# Altium PCB STM32F405.PcbDoc (part 1 of 3) (continued)
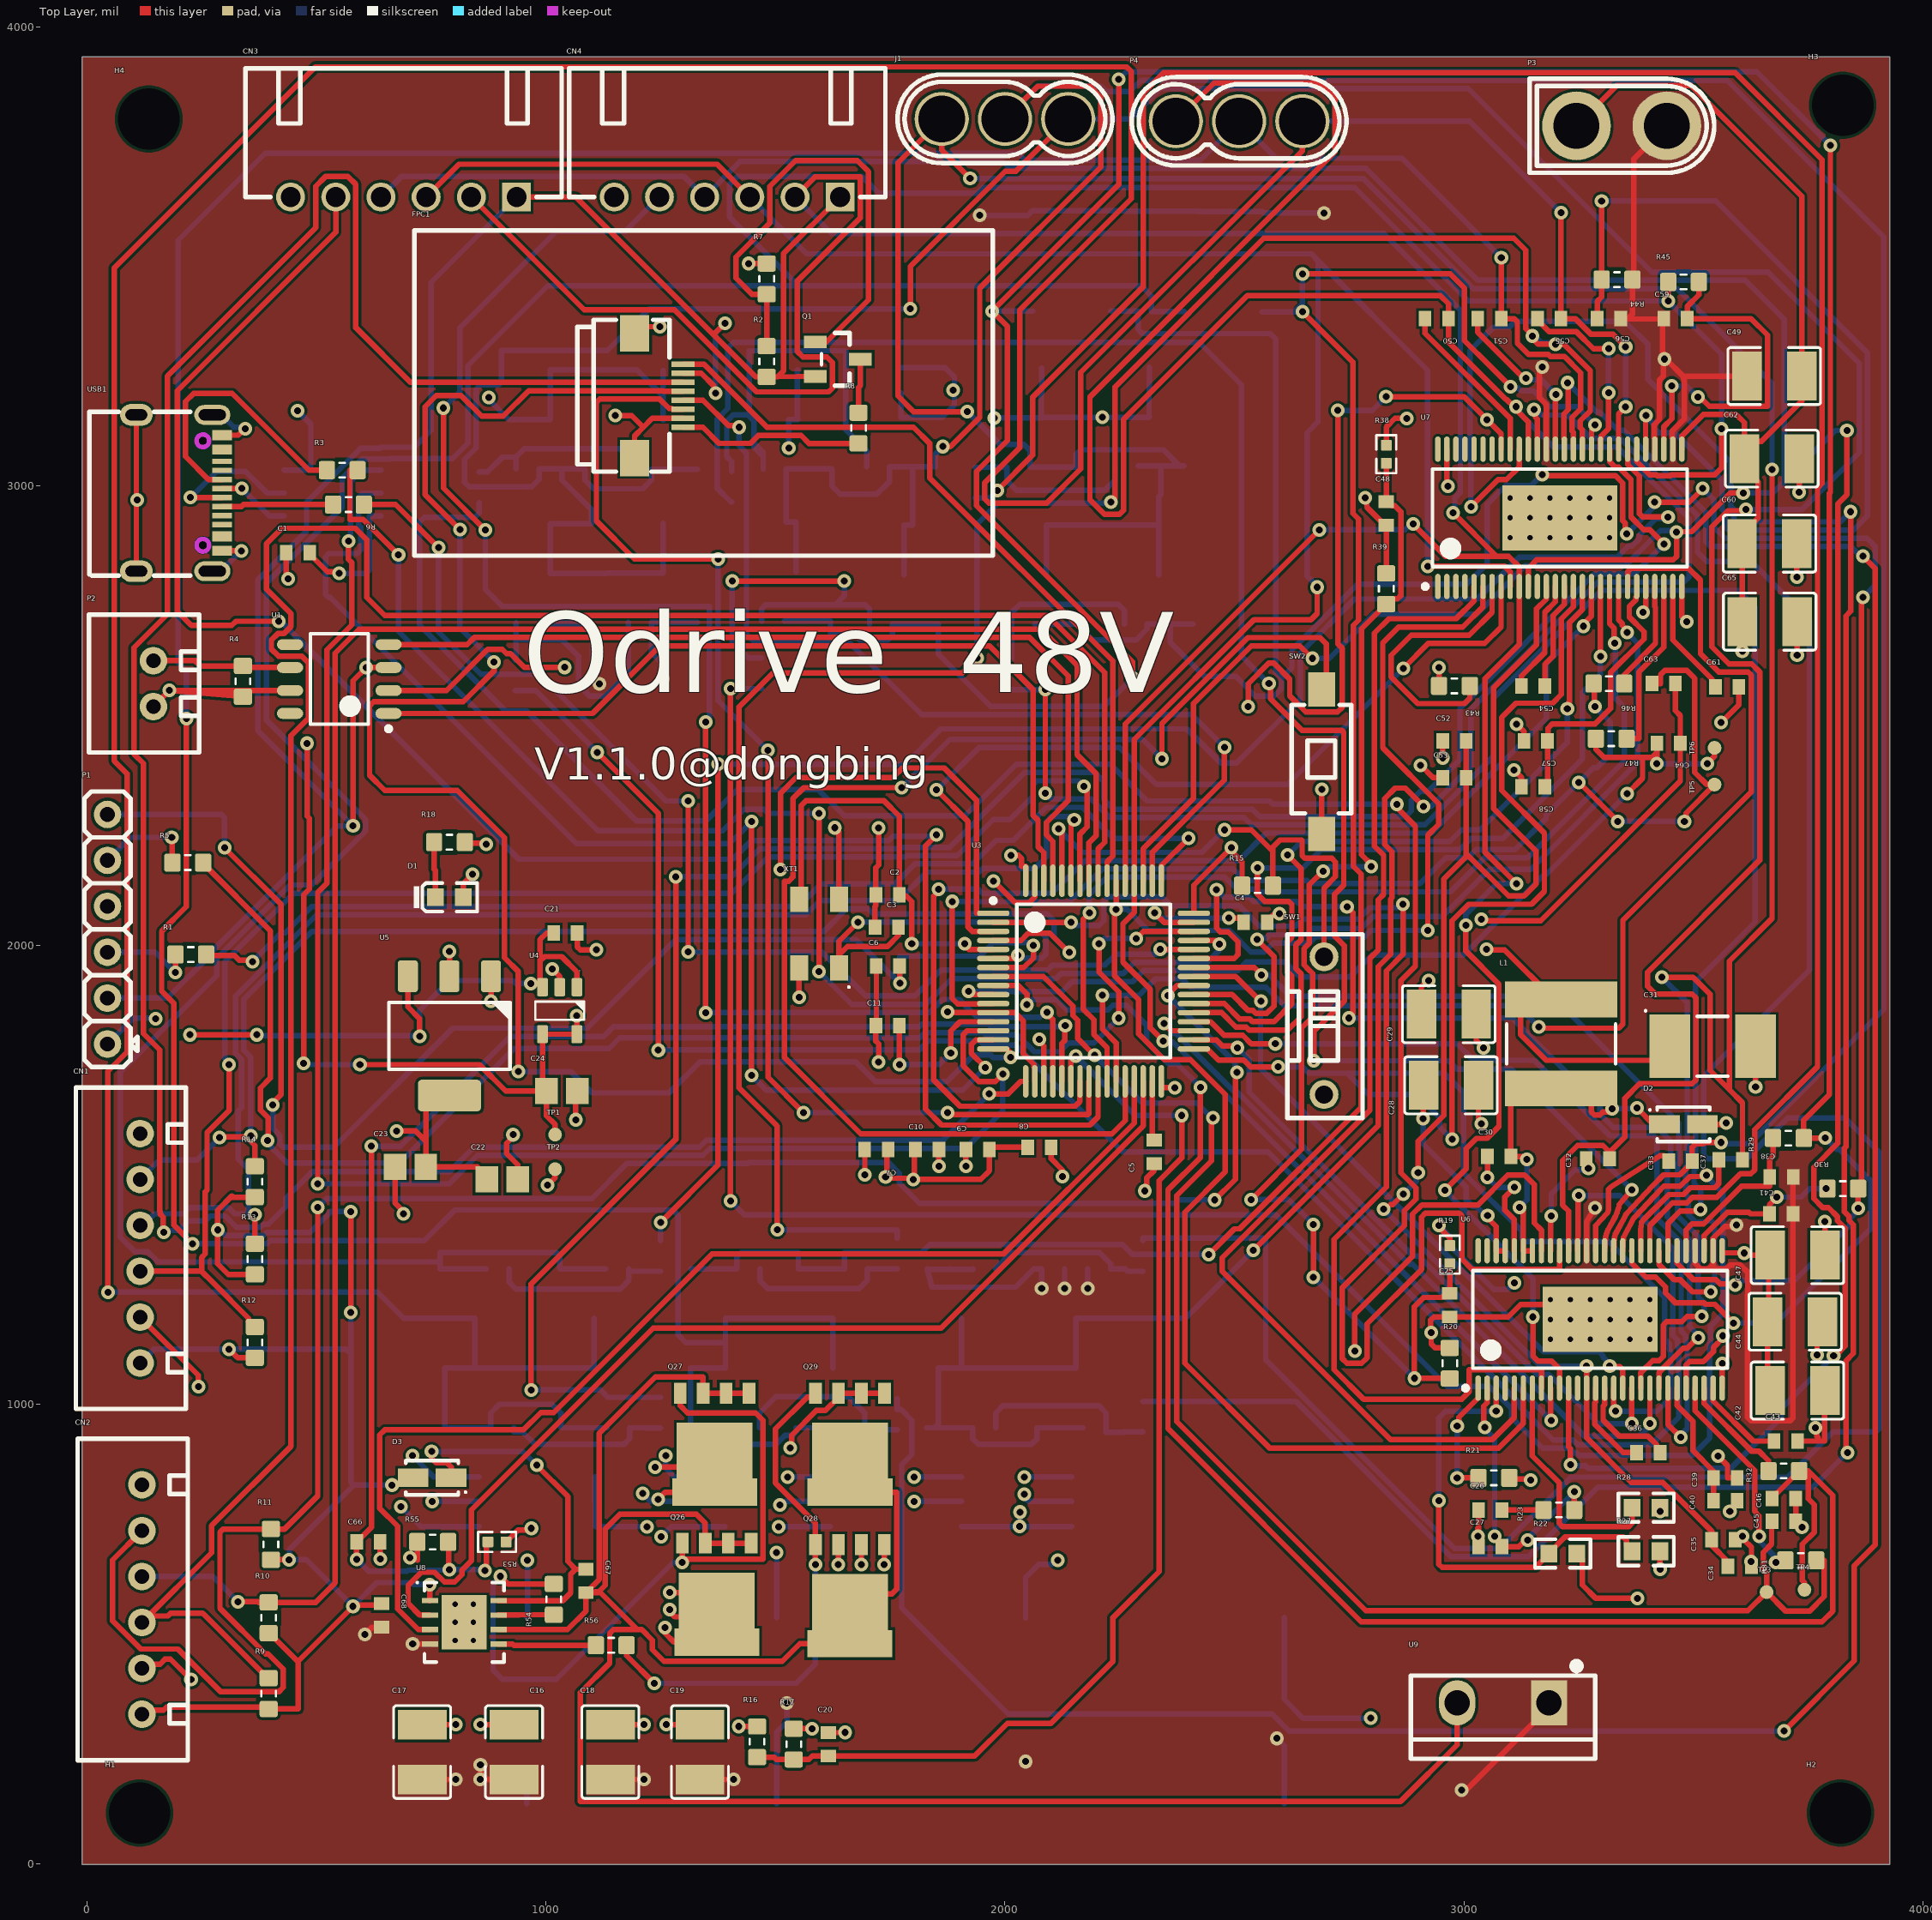
[diagram p0: Top Layer view]
## Part data (continued)
R1 R3 R5 R6 R8 R31 R32 R46 R47: library part RC0603FR-0722RL, "RES SMD 22 OHM 1% 1/10W 0603", Manufacturer=Yageo, Operating Temperature="-55°C ~ 155°C", Package / Case="0603 (1608 Metric)", Power (Watts)="0.1W, 1/10W", Resistance (Ohms)=22, Supplier Device Package=0603, Supplier Part Number 1=311-22.0HRCT-ND, Temperature Coefficient=±100ppm/°C, Tolerance=±1%, Category=Resistors, ComponentLink1Description=http://www.yageo.com/documents/recent/PYu-RC_Group_51_RoHS_L_04.pdf, ComponentLink1URL=http://www.yageo.com/documents/recent/PYu-RC_Group_51_RoHS_L_04.pdf, Composition="Thick Film", Features="Moisture Resistant", Height="0.022\" (0.55mm)", Manufacturer Part Number=RC0603FR-0722RL, Number of Terminations=2, Packaging="Cut Tape (CT)", Pricing 1="1=0.1, 10=0.014, 25=0.01, 100=0.0057, 250=0.00436, 500=0.00348, 1000=0.00257, 2500=0.00223 (USD)", RoHS="RoHS Compliant", Size / Dimension="0.063\" L x 0.031\" W (1.60mm x 0.80mm)", Stock 1=575303, Supplier 1=Digi-Key
R2 R17 R18: library part RC0603FR-071KL, "RES SMD 1K OHM 1% 1/10W 0603", Manufacturer=Yageo, Operating Temperature="-55°C ~ 155°C", Package / Case="0603 (1608 Metric)", Power (Watts)="0.1W, 1/10W", Supplier Device Package=0603, Supplier Part Number 1=311-1.00KHRCT-ND, Temperature Coefficient=±100ppm/°C, Tolerance=±1%, Category=Resistors, ComponentLink1Description=http://www.yageo.com/documents/recent/PYu-RC_Group_51_RoHS_L_04.pdf, ComponentLink1URL=http://www.yageo.com/documents/recent/PYu-RC_Group_51_RoHS_L_04.pdf, Composition="Thick Film", Features="Moisture Resistant", Height="0.022\" (0.55mm)", Manufacturer Part Number=RC0603FR-071KL, Number of Terminations=2, Packaging="Cut Tape (CT)", Pricing 1="1=0.1, 10=0.014, 25=0.01, 100=0.0057, 250=0.00436, 500=0.00348, 1000=0.00257, 2500=0.00223 (USD)", Resistance (Ohms)=1k, RoHS="RoHS Compliant", Size / Dimension="0.063\" L x 0.031\" W (1.60mm x 0.80mm)", Stock 1=6734836, Supplier 1=Digi-Key
R4 R29 R30 R44 R45: library part RC0603FR-07120RL, "RES SMD 120 OHM 1% 1/10W 0603", Manufacturer=Yageo, Operating Temperature="-55°C ~ 155°C", Package / Case="0603 (1608 Metric)", Power (Watts)="0.1W, 1/10W", Resistance (Ohms)=120, Supplier Device Package=0603, Supplier Part Number 1=311-120HRCT-ND, Temperature Coefficient=±100ppm/°C, Tolerance=±1%, Category=Resistors, ComponentLink1Description=http://www.yageo.com/documents/recent/PYu-RC_Group_51_RoHS_L_04.pdf, ComponentLink1URL=http://www.yageo.com/documents/recent/PYu-RC_Group_51_RoHS_L_04.pdf, Composition="Thick Film", Features="Moisture Resistant", Height="0.022\" (0.55mm)", Manufacturer Part Number=RC0603FR-07120RL, Number of Terminations=2, Packaging="Cut Tape (CT)", Pricing 1="1=0.1, 10=0.014, 25=0.01, 100=0.0057, 250=0.00436, 500=0.00348, 1000=0.00257, 2500=0.00223 (USD)", RoHS="RoHS Compliant", Size / Dimension="0.063\" L x 0.031\" W (1.60mm x 0.80mm)", Stock 1=1545282, Supplier 1=Digi-Key
R7 R16: library part RC0603FR-0710KL, "RES SMD 10K OHM 1% 1/10W 0603", Manufacturer=Yageo, Operating Temperature="-55°C ~ 155°C", Package / Case="0603 (1608 Metric)", Power (Watts)="0.1W, 1/10W", Resistance (Ohms)=10k, Supplier Device Package=0603, Supplier Part Number 1=311-10.0KHRCT-ND, Temperature Coefficient=±100ppm/°C, Tolerance=±1%, Category=Resistors, ComponentLink1Description=http://www.yageo.com/documents/recent/PYu-RC_Group_51_RoHS_L_04.pdf, ComponentLink1URL=http://www.yageo.com/documents/recent/PYu-RC_Group_51_RoHS_L_04.pdf, Composition="Thick Film", Features="Moisture Resistant", Height="0.022\" (0.55mm)", Manufacturer Part Number=RC0603FR-0710KL, Number of Terminations=2, Packaging="Cut Tape (CT)", Pricing 1="1=0.1, 10=0.014, 25=0.01, 100=0.0057, 250=0.00436, 500=0.00348, 1000=0.00257, 2500=0.00223 (USD)", RoHS="RoHS Compliant", Size / Dimension="0.063\" L x 0.031\" W (1.60mm x 0.80mm)", Stock 1=13504930, Supplier 1=Digi-Key
R9 R10 R11 R12 R13 R14 R20 R27 R39 R55: library part RC0603FR-073K3L, "RES SMD 3.3K OHM 1% 1/10W 0603", Manufacturer=Yageo, Operating Temperature="-55°C ~ 155°C", Package / Case="0603 (1608 Metric)", Power (Watts)="0.1W, 1/10W", Supplier Device Package=0603, Supplier Part Number 1=311-3.30KHRCT-ND, Temperature Coefficient=±100ppm/°C, Tolerance=±1%, Category=Resistors, ComponentLink1Description=http://www.yageo.com/documents/recent/PYu-RC_Group_51_RoHS_L_04.pdf, ComponentLink1URL=http://www.yageo.com/documents/recent/PYu-RC_Group_51_RoHS_L_04.pdf, Composition="Thick Film", Features="Moisture Resistant", Height="0.022\" (0.55mm)", Manufacturer Part Number=RC0603FR-073K3L, Number of Terminations=2, Packaging="Cut Tape (CT)", Pricing 1="1=0.1, 10=0.014, 25=0.01, 100=0.0057, 250=0.00436, 500=0.00348, 1000=0.00257, 2500=0.00223 (USD)", Resistance (Ohms)=3.3k, RoHS="RoHS Compliant", Size / Dimension="0.063\" L x 0.031\" W (1.60mm x 0.80mm)", Stock 1=420019, Supplier 1=Digi-Key
R15 R23: library part RC0603FR-0747KL, "RES SMD 47K OHM 1% 1/10W 0603", Manufacturer=Yageo, Operating Temperature="-55°C ~ 155°C", Package / Case="0603 (1608 Metric)", Power (Watts)="0.1W, 1/10W", Resistance (Ohms)=47k, Supplier Device Package=0603, Supplier Part Number 1=311-47.0KHRCT-ND, Temperature Coefficient=±100ppm/°C, Tolerance=±1%, Category=Resistors, ComponentLink1Description=http://www.yageo.com/documents/recent/PYu-RC_Group_51_RoHS_L_04.pdf, ComponentLink1URL=http://www.yageo.com/documents/recent/PYu-RC_Group_51_RoHS_L_04.pdf, Composition="Thick Film", Features="Moisture Resistant", Height="0.022\" (0.55mm)", Manufacturer Part Number=RC0603FR-0747KL, Number of Terminations=2, Packaging="Cut Tape (CT)", Pricing 1="1=0.1, 10=0.014, 25=0.01, 100=0.0057, 250=0.00436, 500=0.00348, 1000=0.00257, 2500=0.00223 (USD)", RoHS="RoHS Compliant", Size / Dimension="0.063\" L x 0.031\" W (1.60mm x 0.80mm)", Stock 1=930868, Supplier 1=Digi-Key
R19 R38 R53: "THERMISTOR 10K OHM NTC 0402 SMD"
R21: library part RC0603FR-07220KL, "RES SMD 220K OHM 1% 1/10W 0603", Manufacturer=Yageo, Operating Temperature="-55°C ~ 155°C", Package / Case="0603 (1608 Metric)", Power (Watts)="0.1W, 1/10W", Supplier Device Package=0603, Supplier Part Number 1=311-220KHRCT-ND, Temperature Coefficient=±100ppm/°C, Tolerance=±1%, Category=Resistors, ComponentLink1Description=http://www.yageo.com/documents/recent/PYu-RC_Group_51_RoHS_L_04.pdf, ComponentLink1URL=http://www.yageo.com/documents/recent/PYu-RC_Group_51_RoHS_L_04.pdf, Composition="Thick Film", Features="Moisture Resistant", Height="0.022\" (0.55mm)", Manufacturer Part Number=RC0603FR-07220KL, Number of Terminations=2, Packaging="Cut Tape (CT)", Pricing 1="1=0.1, 10=0.014, 25=0.01, 100=0.0057, 250=0.00436, 500=0.00348, 1000=0.00257, 2500=0.00223 (USD)", Resistance (Ohms)=220k, RoHS="RoHS Compliant", Size / Dimension="0.063\" L x 0.031\" W (1.60mm x 0.80mm)", Stock 1=204390, Supplier 1=Digi-Key
R22 R28 R43: library part RC0603FR-0718KL, "RES SMD 18K OHM 1% 1/10W 0603", Manufacturer=Yageo, Operating Temperature="-55°C ~ 155°C", Package / Case="0603 (1608 Metric)", Power (Watts)="0.1W, 1/10W", Supplier Device Package=0603, Supplier Part Number 1=311-18.0KHRCT-ND, Temperature Coefficient=±100ppm/°C, Tolerance=±1%, Category=Resistors, ComponentLink1Description=http://www.yageo.com/documents/recent/PYu-RC_Group_51_RoHS_L_04.pdf, ComponentLink1URL=http://www.yageo.com/documents/recent/PYu-RC_Group_51_RoHS_L_04.pdf, Composition="Thick Film", Features="Moisture Resistant", Height="0.022\" (0.55mm)", Manufacturer Part Number=RC0603FR-0718KL, Number of Terminations=2, Packaging="Cut Tape (CT)", Pricing 1="1=0.1, 10=0.014, 25=0.01, 100=0.0057, 250=0.00436, 500=0.00348, 1000=0.00257, 2500=0.00223 (USD)", Resistance (Ohms)=18k, RoHS="RoHS Compliant", Size / Dimension="0.063\" L x 0.031\" W (1.60mm x 0.80mm)", Stock 1=0, Supplier 1=Digi-Key
R24 R25 R26 R33 R34 R35 R40 R41 R42 R48 R49 R50 R54 R56: library part RC0603FR-072R2L, "RES SMD 2.2 OHM 1% 1/10W 0603", Manufacturer=Yageo, Operating Temperature="-55°C ~ 155°C", Package / Case="0603 (1608 Metric)", Power (Watts)="0.1W, 1/10W", Resistance (Ohms)=2.2, Supplier Device Package=0603, Supplier Part Number 1=311-2.2HRCT-ND, Temperature Coefficient=±200ppm/°C, Tolerance=±1%, Category=Resistors, ComponentLink1Description=http://www.yageo.com/documents/recent/PYu-RC_Group_51_RoHS_L_04.pdf, ComponentLink1URL=http://www.yageo.com/documents/recent/PYu-RC_Group_51_RoHS_L_04.pdf, Composition="Thick Film", Features="Moisture Resistant", Height="0.022\" (0.55mm)", Manufacturer Part Number=RC0603FR-072R2L, Number of Terminations=2, Packaging="Cut Tape (CT)", Pricing 1="1=0.1, 10=0.02, 25=0.0144, 100=0.0082, 250=0.00624, 500=0.00498, 1000=0.00367, 2500=0.00319 (USD)", RoHS="RoHS Compliant", Size / Dimension="0.063\" L x 0.031\" W (1.60mm x 0.80mm)", Stock 1=16531, Supplier 1=Digi-Key
R36 R37 R51 R52: "RES SMD 0.0005 OHM 1% 3W 2512", Manufacturer=Riedon, Operating Temperature="-55°C ~ 170°C", Package / Case="2512 (6432 Metric)", Power (Watts)=3W, Supplier Device Package=2512, Supplier Part Number 1=696-1183-2-ND, Temperature Coefficient=±100ppm/°C, Tolerance=±1%, Category=Resistors, ComponentLink1Description=http://riedon.com/media/pdf/CSR.pdf, ComponentLink1URL=http://riedon.com/media/pdf/CSR.pdf, Composition="Metal Element", Failure Rate=-, Features="Current Sense", Height - Seated (Max)="0.057\" (1.45mm)", Manufacturer Part Number=CSR2512C0R0005F, Packaging="Tape & Reel (TR)", Part Status=Active, Pricing 1="2000=0.19817, 6000=0.1937, 10000=0.187, 50000=0.18148 (USD)", Pricing 2="1=0.69, 10=0.574, 25=0.4916, 50=0.4426, 100=0.3852, 250=0.3442, 500=0.27864, 1000=0.22536 (USD)", RoHS="RoHS Compliant", Size / Dimension="0.250\" L x 0.118\" W (6.35mm x 3.00mm)", Stock=2000, Supplier 1=Digi-Key, Supplier 2=Digi-Key, Supplier Part Number 2=696-1183-1-ND
SW1: "单刀拨码开关", Color=红色, JLCPCB Part Class="Extended Part", LCSC Part Name=红色宽体1位顶拨插件, Manufacturer=YE, Operating Life=-, Add into BOM=yes, Circuit=单刀单掷, Convert to PCB=yes, Datasheet=https://atta.szlcsc.com/upload/public/pdf/source/20240423/2AB41BE17D24959C6789B2A71E54D492.pdf, Device=DSWB01LHGET, Lead Pitch=-, Manufacturer Part=DSWB01LHGET, Name=DSWB01LHGET, Number of Positions=1位, Supplier=LCSC, Supplier Footprint=插件,9.9x4mm, Supplier Part=C126888, Symbol=DSWB01LHGET, Type=平拨,凸起式
SW2: "轻触开关", Actuator/Cap Color=白色带淡绿, Contact Current=50mA, Insulation Resistance=-, JLCPCB Part Class="Extended Part", LCSC Part Name="6*3.6*2.5mm 立贴 轻触开关", Manufacturer="XKB Connectivity(中国星坤)", Operating Force=260gf, Operating Temperature=-30℃~+85℃, Voltage Rating (DC)=12V, Actuator Style=矩形按钮, Add into BOM=yes, Circuit=单刀单掷, Convert to PCB=yes, Datasheet=https://atta.szlcsc.com/upload/public/pdf/source/20200227/C318938_C2E53B1EEDE37D980A33616AC086DE53.pdf, Device=TS-1101-C-W, IP Rating=-, Manufacturer Part=TS-1101-C-W, Mechanical Life=5万次, Mounting Style=立贴, Name=TS-1101-C-W, Pin Style=-, Power Rating=-, Strike Gundam=不带, Supplier=LCSC, Supplier Footprint=SMD, Supplier Part=C318938, Switch Height=2.5mm, Switch Length=6mm, Switch Width=3.6mm, Symbol=TS-1101-C-W, Voltage Rating (AC)=-, With Lamp=无
TP1 TP2 TP3 TP4 TP5 TP6: "SMD test pin"
U1: Manufacturer="Texas Instruments", Manufacturer Part Number=SN65HVD232DR, Operating Temperature="-40°C ~ 85°C", Package / Case="8-SOIC (0.154\", 3.90mm Width)", Supplier Device Package=8-SOIC, Supplier Part Number 1=296-26344-2-ND, Voltage - Supply="3 V ~ 3.6 V", Category="Integrated Circuits (ICs)", ComponentLink1Description=http://www.ti.com/lit/ds/symlink/sn65hvd230.pdf, ComponentLink1URL=http://www.ti.com/lit/ds/symlink/sn65hvd230.pdf, Data Rate=1Mbps, Duplex=Half, Mounting Type="Surface Mount", Number of Drivers/Receivers=1/1, Packaging="Tape & Reel (TR)", Part Status=Active, Pricing 1="2500=0.84375 (USD)", Pricing 2="1=2.05, 10=1.842, 100=1.4809, 500=1.21668, 1000=1.00811 (USD)", Protocol=CAN, RoHS="RoHS Compliant", Stock=5000, Supplier 1=Digi-Key, Supplier 2=Digi-Key, Supplier Part Number 2=296-26344-1-ND, Type=Transceiver
U2: JLCPCB Part Class="Extended Part", LCSC Part Name="USB转串口芯片 CH340", Manufacturer=WCH(南京沁恒), Add into BOM=yes, Convert to PCB=yes, Datasheet=https://atta.szlcsc.com/upload/public/pdf/source/20230530/6E401E9554E9F5311886CC8B3F89B62E.pdf, Device=CH340N, Manufacturer Part=CH340N, Name=CH340N, Supplier=LCSC, Supplier Footprint=SOP-8, Supplier Part=C2977777, Symbol=CH340N_C2977777
U3: "ARM Cortex-M4 32-bit MCU+FPU, 210 DMIPS, 1024 kB Flash, 192 kB Internal RAM, 51 I/Os, 64-pin LQFP, -40 to 85 degC, Tray", I/Os (High Current)=51, Manufacturer=STMicroelectronics, Operating Frequency(F) (Processor speed) (MHz)=168, Supplier Part Number 1=497-11767-ND, Supply Voltage(Vcc) max (V)=3.6, Supply Voltage(Vcc) min (V)=1.8, ComponentLink1Description="Manufacturer URL", ComponentLink1URL=http://www.st.com/web/en/home.html, ComponentLink2Description=Datasheet, ComponentLink2URL=http://www.st.com/st-web-ui/static/active/en/resource/technical/document/datasheet/DM00037051.pdf, ComponentLink3Description="Package Specification", ComponentLink3URL=http://www.st.com/st-web-ui/static/active/en/resource/technical/document/datasheet/DM00037051.pdf, Core="ARM Cortex-M4", D/A Converter=2x12-bit, DatasheetVersion="Rev. 4", FLASH Size (Prog) (kB)=1024, Internal RAM Size (kB)=192, Mounting Technology="Surface Mount", PackageDescription="64-Pin Low Profile Quad Flat Package, 10 x 10 mm Body, 0.5 mm Pitch", PackageReference=LQFP64, PackageVersion="Rev. 4, 06/2013", Packing=Tray, PartNumber=STM32F405RGT6, Supplier 1=Digi-Key, Supplier 2=Farnell, Supplier 3=Newark, Supplier 4=Mouser, Supplier Part Number 2=2064363, Supplier Part Number 3=73T2329, Supplier Part Number 4=511-STM32F405RGT6
U4: library part LP5907MFX-3.3/NOPB, "IC REG LDO 3.3V 0.25A SOT23-5", Current - Limit (Min)=-, Current - Output=250mA, Manufacturer="Texas Instruments", Operating Temperature="-40°C ~ 125°C", Package / Case="SC-74A, SOT-753", Supplier Device Package=SOT-23, Supplier Part Number 1=296-38557-1-ND, Voltage - Input="Up to 5.5V", Category="Integrated Circuits (ICs)", ComponentLink1Description=http://www.ti.com/lit/ds/symlink/lp5907.pdf, ComponentLink1URL=http://www.ti.com/lit/ds/symlink/lp5907.pdf, Mounting Type="Surface Mount", Packaging="Cut Tape (CT)", Part Status=Active, Pricing 1="1=0.57, 10=0.487, 100=0.3634, 500=0.28552, 1000=0.22063 (USD)", Regulator Topology="Positive Fixed", RoHS="RoHS Compliant", Stock 1=39845, Supplier 1=Digi-Key, Voltage - Dropout (Typical)=-, Voltage - Output=3.3V
U5: library part AZ1117EH-3.3TRG1, "IC REG LDO 3.3V 1A SOT223", Current - Limit (Min)=-, Current - Output=1A, Manufacturer="Diodes Incorporated", Operating Temperature="-40°C ~ 125°C", Package / Case="TO-261-4, TO-261AA", Supplier Device Package=SOT-223, Supplier Part Number 1=AZ1117EH-3.3TRG1DICT-ND, Voltage - Dropout (Typical)="1.1V @ 1A", Voltage - Input="Up to 13V", Category="Integrated Circuits (ICs)", ComponentLink1Description=http://www.diodes.com/assets/Datasheets/AZ1117E.pdf, ComponentLink1URL=http://www.diodes.com/assets/Datasheets/AZ1117E.pdf, Mounting Type="Surface Mount", Packaging="Cut Tape (CT)", Part Status=Active, Pricing 1="1=0.43, 10=0.321, 100=0.1815, 500=0.12022, 1000=0.09216 (USD)", Regulator Topology="Positive Fixed", RoHS="RoHS Compliant", Stock 1=22748, Supplier 1=Digi-Key, Voltage - Output=3.3V
U6 U7: "MOTOR DRIVER, 3PH, 56HTSSOP"
U8: "DRIVER, MOSFET, HALF BRIDGE, WSON-8, 1A", Supplier Part Number 1=2400642RL, Supplier 1=Farnell, Supplier 2=Farnell, Supplier 3=Farnell, Supplier Part Number 2=2400642, Supplier Part Number 3=2382850
U9: library part To-220-35W-3R-1%, "220封装2插电阻", JLCPCB Part Class="Extended Part", LCSC Part Name="3Ω ±1% 35W", Manufacturer=Milliohm(毫欧), Operating Temperature Range=-55℃~+150℃, Overload Voltage (Max)=350V, Power(Watts)=35W, Tolerance=±1%, Add into BOM=yes, Convert to PCB=yes, Datasheet=https://atta.szlcsc.com/upload/public/pdf/source/20221020/51BE5AE648F6C576EF2EAAB1AEBF3830.pdf, Device=To-220-35W-3R-1%, Manufacturer Part=To-220-35W-3R-1%, Name=3Ω, Supplier=LCSC, Supplier Footprint=TO-220-2, Supplier Part=C5209756, Symbol=TO-220-35W-3R-1%
USB1: Current Rating - Power (Max)=5A, JLCPCB Part Class="Extended Part", LCSC Part Name="Type-C 母 卧贴", Manufacturer="SHOU HAN(首韩)", Operating Temperature Range=-25℃~+85℃, Add into BOM=yes, Connector Type=Type-C, Convert to PCB=yes, Datasheet=https://atta.szlcsc.com/upload/public/pdf/source/20211123/39B17C16241EAC15C5E277BDA434118E.pdf, Device="TYPE-C 16PIN 2MD(073)", Gender=母, Manufacturer Part="TYPE-C 16PIN 2MD(073)", Mounting Style=卧贴, Name="TYPE-C 16PIN 2MD(073)", Number of Contacts=16P, Number of Ports=1, Standard=-, Supplier=LCSC, Supplier Footprint=SMD, Supplier Part=C2765186, Symbol="TYPE-C 16PIN 2MD(073)"
XT1: library part ABM3B-8.000MHZ-10-1-U-T, "Crystal 8MHz ±10ppm 10pF 200 Ohm -10°C ~ 60°C Surface Mount 4-SMD, No Lead (DFN, LCC)", Frequency Stability=±10ppm, Load Capacitance=10pF, Manufacturer="Abracon LLC", Operating Mode=Fundamental, Operating Temperature="-10°C ~ 60°C", Package / Case="4-SMD, No Lead", Ratings=-, Supplier Part Number 1=535-9721-1-ND, Category="Crystals, Oscillators, Resonators", ComponentLink1Description=http://www.abracon.com/Resonators/abm3b.pdf, ComponentLink1URL=http://www.abracon.com/Resonators/abm3b.pdf, Frequency Tolerance=±10ppm, Height - Seated (Max)="0.043\" (1.10mm)", Manufacturer Part Number=ABM3B-8.000MHZ-10-1-U-T, Mounting Type="Surface Mount", Packaging="Cut Tape (CT)", Part Status=Active, Pricing 1="1=0.69, 10=0.578, 50=0.5198, 100=0.462, 500=0.4389 (USD)", Pricing 2="1000=0.336, 3000=0.315, 5000=0.3045, 10000=0.294 (USD)", RoHS="RoHS Compliant", Size / Dimension="0.197\" L x 0.126\" W (5.00mm x 3.20mm)", Stock=35437, Supplier 1=Digi-Key, Supplier 2=Digi-Key, Supplier Part Number 2=535-9721-2-ND, Type="MHz Crystal"

## Via types
v1: diameter 30, hole 15, Top Layer to Bottom Layer, 441 vias
v2: diameter 27.56, hole 11.81, Top Layer to Bottom Layer, 42 vias

## Nets (pads, with @x,y where several pads share a name; then routed paths per layer and width w, separated by ;. In a path a pad name is that pad's centre, name@x,y a point inside that pad or via, vN(x,y) a via of type N, cw(c..) or ccw(c..) an arc to the next point about the centre after c; other vN are vias at no path point)
+5: C21.2 C31.1 CN1.2 CN2.2 L1.2 P1.1 R22.2 U4.1 U4.3 U5.3 | length 2670
  Top Layer w12: CN1.2@116.12,1190 242.99,1063.13 v1(242.99,1038.39) ; CN2.2@120,425 129.18,434.18 159.56,434.18 170.38,445 182.38,445 v1(226.99,400.39) ; v1(225,1805) v1(370,1805) ; U5.3@699.45,1932.42 699.45,1865.66 724.99,1840.12 v1(724.99,1801.3) ; v1(967,1916.56) 986.79,1916.56 992.6,1910.74 U4.3@992.6,1908.68 ; U4.3@987,1921.37 987,1965.4 ; C21.2@1016.96,2026.59 1000.99,2026.59 987,2012.6 987,1965.4 ; U4.1@1067.4,1908.68 1067.4,1942.39 1034.4,1975.39 996.99,1975.39 987,1965.4 ; v1(3049.28,1991.1) 3050.28,1990.1 3088.28,1990.1 L1.2@3196.53,1881.85 ; L1.2@3211.54,1881.85 L1.2@3196.53,1881.85 ; R22.2@3245.31,675 3257.62,662.69 3257.62,606.96 3287.19,577.39 v1(3377.99,577.39) ; C31.1@3448.03,1780 3448.03,1749.39 3178.99,1749.39 3122.99,1805.39 3122.99,1881.85 L1.2@3196.53,1881.85
  Bottom Layer w12: P1.1@45,1785 101.37,1841.37 148.63,1841.37 v1(150.36,1839.64) ; v1(370,1805) 371.85,1803.15 723.14,1803.15 v1(724.99,1801.3) 724.99,1858.05 790,1923.06 928,1923.06 934,1917.06 966.5,1917.06 v1(967,1916.56)
AGND: C1.1 C2.2 C3.2 C4.1 C5.1 C6.1 C7.1 C8.1 C9.1 C10.1 C11.1 C20.1 C21.1 C22.1 C23.1 C24.1 C25.1 C26.2 C27.2 C28.1 C29.1 C31.2 C34.1 C35.1 C39.2 C40.2 C42.1 C43.1 C44.1 C45.1 C46.1 C47.1 C48.1 C52.1 C53.1 C57.2 C58.2 C60.1 C61.1 C62.1 C63.1 C64.1 C65.1 C66.1 CN1.6 CN2.6 CN3.6 CN4.6 D2.A FPC1.2 FPC1.9 FPC1.10 P1.4 Q28.S Q29.S R7.1 R17.1 R18.1 R20.1 R21.2 R27.1 R28.2 R39.1 R43.2 R55.1 SW1.2 SW2.2 TP2.1 U1.2 U2.3 U3.12 U3.18 U3.63 U4.2 U5.1 U6.28 U6.57 U7.28 U7.55 U7.57 U8.9 USB1.1 USB1.12 USB1.13 USB1.14 XT1.G | length 7907.8
  Top Layer w12: USB1.14@107.99,2814.88 USB1.13@107.99,3155.43 ; USB1.12@295,2859.17 v1(336.65,2859.17) ; USB1.1@295,3111.14 329.66,3111.14 343.52,3125 v1(345,3125) ; C1.1@434.41,2855 434.41,2807.14 438.49,2803.06 v1(438.49,2798.18) ; v1(638.99,663.39) 638.99,700.25 C66.1@639.09,700.25 ; U1.2@657.28,2555 783.6,2555 872.99,2644.39 905.16,2644.39 914.13,2635.42 923.1,2635.42 953.13,2605.39 v1(1040.99,2605.39) ; C23.1@671.54,1517.5 671.54,1438.33 690,1419.87 v1(690,1415) ; v1(703.99,665.86) 707.43,662.42 717.96,662.42 719.99,660.39 720.04,660.44 R55.1@720.04,700.25 ; R18.1@823.47,2224.62 825.78,2222.31 867.69,2222.31 v1(870,2220) ; v1(880.55,1877.97) U5.1@880.55,1932.42 ; v1(928.47,1587.39) 928.47,1582.52 914.36,1568.41 914.36,1546 938.47,1521.89 C22.1@938.47,1490 ; v1(1004,1477.5) 1020,1493.5 TP2.1@1020,1512.5 ; v1(1014,1948.37) 1030,1932.37 U4.2@1030,1908.68 ; v1(1065,1620) 1065,1679.03 C24.1@1068.47,1682.5 ; C21.1@1068.14,2026.59 1068.14,1996.88 1075.17,1989.85 1109.85,1989.85 v1(1110,1990) ; v1(1151.32,3153.66) 1187.33,3153.66 1212.41,3128.59 ; FPC1.10@1193.21,3061.25 1193.21,3109.39 1212.41,3128.59 ; FPC1.9@1193.21,3332.89 1193.21,3347.39 v1(1247.99,3347.39) ; FPC1.2@1298.66,3147.78 1231.6,3147.78 1212.41,3128.59 ; v1(1441.34,3485.1) R7.1@1481.02,3485.1 ; v1(1531.82,905.34) 1535.26,908.78 1535.26,932.8 1588.99,986.52 1608.51,986.52 1638.04,1016.04 Q29.S@1638.04,1024.9 ; R17.1@1540,293.46 1579.91,293.46 v1(1579.99,293.39) ; v1(1551.69,1886.64) XT1.G@1551.69,1950.2 ; C20.1@1615,285 1651.6,285 v1(1651.99,285.39) ; v1(1629,2256.03) 1638.31,2246.73 XT1.G@1638.31,2099.8 ; v1(1636.99,651.39) 1637.2,651.6 Q28.S@1637.2,694.34 ; Q29.S@1638.04,1023.79 Q29.S@1687.48,1023.79 ; v1(1686.99,651.39) 1687.2,651.6 Q28.S@1687.2,694.34 ; Q29.S@1688.04,1023.79 Q29.S@1737.48,1023.79 ; C3.2@1717.01,2039.44 1717.01,2084.42 1718.82,2086.22 C2.2@1718.82,2110 1718.82,2168.73 1724.99,2174.9 v1(1724.99,2255.4) ; C6.1@1719.41,1955 1719.99,1955 1719.99,1825 C11.1@1718.82,1825 1718.82,1791.27 1724.99,1785.11 v1(1724.99,1745.6) ; v1(1736.99,651.39) 1736.99,681.18 1737.2,681.39 Q28.S@1737.2,694.34 ; C7.1@1745.59,1555 1742.8,1552.2 1742.8,1497.8 v1(1740,1495) 1742.5,1492.5 1797.5,1492.5 v1(1800,1490) ; C10.1@1805,1555 1802.5,1552.5 1802.5,1492.5 v1(1800,1490) ; v1(1875,1855) 1876.74,1853.26 1974.34,1853.26 U3.12@1974.43,1853.17 2021.99,1853.17 2040,1835.15 2040,1763.7 2063.2,1740.5 2063.2,1734.68 2064.98,1732.89 U3.18@2064.98,1703.56 ; v1(1975,2140) 2021.87,2093.13 2052.72,2093.13 2064.89,2105.31 2064.89,2140.47 U3.63@2064.99,2140.56 ; C8.1@2049.41,1560 1966.18,1560 C9.1@1966.18,1555 1966.18,1508.58 1947.6,1490 v1(1800,1490) ; v1(2305,1465) 2308.44,1468.44 2308.44,1492.83 2325,1509.39 C5.1@2325,1524.41 ; C4.1@2571.18,2050 2571.18,2052.95 2583.54,2065.31 2594.56,2065.31 v1(2598,2068.76) ; SW2.2@2690,2242.52 v1(2690,2340) ; v1(2785,2975) 2788.44,2971.56 2788.44,2954.2 2827.64,2915 C48.1@2830.59,2915 R39.1@2830.59,2810 ; v1(2905.47,2392.27) 2932.73,2365 C53.1@2953.47,2365 ; R43.2@2945.59,2565 v1(2945.59,2604.69) ; v1(2953.47,2408.27) C52.1@2953.47,2445 ; v1@2962.68,3002.32 U7.55@2962.68,3080.77 ; R20.1@2969.02,1123.1 2936.9,1123.1 2928.44,1131.56 v1(2928.44,1156.56) 2927.25,1157.75 2927.25,1183.55 2934.28,1190.58 3096.17,1190.58 3122.99,1217.39 3176.61,1217.39 3209,1185 v2(3231.57,1185) v2(3274.88,1185) U6.57@3296.53,1185 ; C29.1@3026.53,1850 3026.53,1792.85 v1(3042.53,1776.85) ; v1(3030,713) v1@3031.53,713 ; C28.1@3031.28,1695 3031.28,1617.44 v1(3037.54,1611.18) ; C27.2@3031.53,690 v1@3031.53,713 ; C26.2@3031.53,770 3031.53,731.53 3030,730 3031.53,728.47 v1@3031.53,713 ; v1(3038.1,2056.28) 3040.99,2053.39 3166.99,2053.39 3471.18,2357.58 C64.1@3471.18,2440 3471.18,2500.2 3460.59,2510.79 C63.1@3460.59,2570 ; R21.2@3098.46,840 3100.96,837.5 3142.5,837.5 v1(3145,835) ; v1(3109,2381.73) 3125,2365.73 C58.2@3125,2345 ; v1(3114.59,2481.74) 3130.59,2465.74 C57.2@3130.59,2445 ; v1(3426.85,640.71) R27.1@3426.85,680 ; v1(3426.85,767) R28.2@3426.85,775 ; U7.28@3474.49,2781.56 3474.49,2715.51 v1(3485,2705) ; D2.A@3519.21,1610 3567.6,1610 v1(3570.99,1613.39) ; v1(3553.25,887.4) 3573.89,866.77 3573.89,840 C39.2@3594.84,840 ; v1(3560,2485) 3598.7,2523.7 C61.1@3598.7,2563.11 ; U6.28@3562.28,1035.39 v1(3562.28,1089.15) ; v1(3578.99,767) 3578.99,771.2 3594.84,787.05 C40.2@3594.84,790 ; C35.1@3590.59,705 v1@3605.38,705 ; v1(3606.74,713) 3606.74,706.37 v1@3605.38,705 ; v1(3624.96,658) C34.1@3626.18,658 ; C34.1@3626.18,647.28 C34.1@3626.18,658 ; v1(3635.04,1691.1) C31.2@3635.04,1780 ; C46.1@3722.13,795 3722.99,795 3722.99,745 C45.1@3722.12,745 3734.84,732.28 v1(3735.92,732.28) ; v1(3725.07,2801.85) C60.1@3725.07,2875 ; v1(3725.59,2631.85) C65.1@3725.59,2705 ; C43.1@3726.53,920 3771.56,920 ; v1(3730.07,2986.85) C62.1@3730.07,3060 ; v1(3765.42,949.39) 3768.86,945.95 3768.86,930.15 3771.56,927.46 3771.56,920 ; v1(3769.03,1107.35) 3769.03,1168.02 C44.1@3781.01,1180 ; C42.1@3786.01,1030 3785,1028.99 3785,920 3771.56,920 ; C47.1@3786.01,1325 v1(3786.01,1398.15) ; v1@3605.38,705 3609.87,705 3626.18,688.69 C34.1@3626.18,658
  Bottom Layer w12: USB1.14@273.35,2814.88 291.72,2814.88 336.01,2859.17 v1(336.65,2859.17) ; USB1.13@273.35,3155.43 279.3,3149.49 299.12,3149.49 320.16,3128.44 341.56,3128.44 v1(345,3125) ; U2.3@430,3035 477.6,3035 487.99,3045.39 487.99,3135.39 v1(458.99,3164.39)
  other v1: 110,2970 2965,3000
  other v2: 802.52,485.88 841.89,485.88 802.52,525.25 841.89,525.25 802.52,564.62 841.89,564.62 3188.27,1141.69 3231.57,1141.69 3274.88,1141.69 3318.19,1141.69 3361.49,1141.69 3404.8,1141.69 3188.27,1185 3318.19,1185 3361.49,1185 3404.8,1185 3188.27,1228.31 3231.57,1228.31 3274.88,1228.31 3318.19,1228.31 3361.49,1228.31 3404.8,1228.31 3100.47,2887.86 3143.78,2887.86 3187.09,2887.86 3230.39,2887.86 3273.7,2887.86 3317.01,2887.86 3100.47,2931.17 3143.78,2931.17 3187.09,2931.17 3230.39,2931.17 3273.7,2931.17 3317.01,2931.17 3100.47,2974.47 3143.78,2974.47 3187.09,2974.47 3230.39,2974.47 3273.7,2974.47 3317.01,2974.47
AUX_H_4: U3.30 U8.2 | length 2298.6
  Top Layer w12: U8.2@747.59,541 725.38,541 700,566.38 700,605.97 728.3,634.27 757.55,634.27 778.82,613 801.18,613 817.46,629.28 817.46,638.86 837.99,659.39 837.99,770.39 1233.99,1166.39 1860.99,1166.39 2301.21,1606.61 U3.30@2301.21,1703.56
AUX_L_4: U3.29 U8.3 | length 2500.3
  Top Layer w12: U8.3@747.59,509.5 721.88,509.5 676.99,554.39 676.99,734.39 637.99,773.39 637.99,933.39 648.99,944.39 950.99,944.39 988.99,982.39 1016.95,982.39 1361.95,1327.39 1996.53,1327.39 2281.52,1612.38 U3.29@2281.52,1703.56
AUX_TEMP_4: C66.2 R53.1 R55.2 U3.21 | length 3080
  Top Layer w12: v1(587.91,662.47) C66.2@587.91,700.25 619.99,732.33 v1(619.99,1562.39) ; R55.2@786.97,700.25 788.48,698.73 788.48,641.52 v1(790,640) ; v1(867.22,637.88) 870.52,641.17 870.52,696.95 R53.1@873.82,700.25 ; U3.21@2124.04,1703.56 2124.04,1786.39 2130.04,1792.39 2130.04,1824.07 v1(2131.36,1825.39)
  Bottom Layer w12: v1(587.91,662.47) 613.99,636.39 697.75,636.39 700.23,638.86 v1@788.86,638.86 ; v1(619.99,1562.39) 683.38,1562.39 922.38,1801.39 1125.99,1801.39 1146.99,1822.39 1812.99,1822.39 1818.6,1828 1964.38,1828 1969.39,1822.99 2128.96,1822.99 v1(2131.36,1825.39) ; v1(790,640) 865.1,640 v1(867.22,637.88)
AVCC: C24.2 R19.2 R38.2 R53.2 TP1.1 U4.4 U4.5 U6.24 U7.24 | length 2277.2
  Top Layer w12: v1(472.5,1742.5) 472.5,2110.11 485,2122.61 485,2276.37 480,2281.37 v1(480,2440) ; v1(595,1740) 855,1740 912.5,1682.5 C24.2@1001.54,1682.5 ; R53.2@913.19,700.25 939.5,726.56 965.08,726.56 v1(968.52,730) ; TP1.1@1020,1587.5 1019.92,1587.59 1019.92,1610.08 1001.54,1628.46 C24.2@1001.54,1682.5 ; v1(1066.99,1846.39) 1067.4,1845.98 U4.5@1067.4,1806.32 U4.4@992.6,1806.32 992.6,1691.44 C24.2@1001.54,1682.5 ; R38.2@2830.59,3089.37 2830.59,3128.76 2849.68,3147.85 v1(2874.99,3147.85) ; v1(2945.33,1389.43) 2945.33,1386.05 2969.02,1362.36 R19.2@2969.02,1345.85 ; v1(3390,2725) 3390,2729.87 3395.75,2735.62 U7.24@3395.75,2781.56 ; U6.24@3483.54,1035.39 3483.54,1085.74 3491.19,1093.39 3521.46,1093.39 3543.11,1115.05 3543.11,1123.56 3564,1144.45 v1(3564,1149.32)
  Bottom Layer w12: v1@470,1745 v1(472.5,1742.5) 475,1740 v1(595,1740) ; v1(2945.33,1389.43) 2968.99,1365.77 2968.99,1345.93 3064.92,1250 3095,1250 v1@3105,1260
  other v1: 3110,1265
BOOT0_4: R15.1 SW1.1 U3.60 | length 1125
  Top Layer w12: v1(2116.99,2253.39) 2124.04,2246.34 U3.60@2124.04,2140.57 ; v1(2477.99,2251.39) 2536.9,2251.39 2583.46,2204.82 ; R15.1@2583.46,2130 2583.46,2204.82 ; SW1.1@2695,1975 2695,2124.4 2719.99,2149.39 2719.99,2181.39 2711.99,2189.39 2653.63,2189.39 2647.42,2195.6 2647.42,2227.82 2645.85,2229.39 2599.46,2229.39 2583.46,2213.39 2583.46,2204.82
  Bottom Layer w12: v1(2116.99,2253.39) 2167.99,2202.39 2428.99,2202.39 v1(2477.99,2251.39)
CAN_D_4: U1.1 U3.62 | length 1930.7
  Top Layer w12: U1.1@657.28,2505 1101.6,2505 1248.99,2652.39 1965.99,2652.39 2060.99,2557.39 2060.99,2283.39 2071.99,2272.39 2071.99,2214.39 2084.67,2201.71 U3.62@2084.67,2140.56